# KiCad board Infernum HS.kicad_pcb
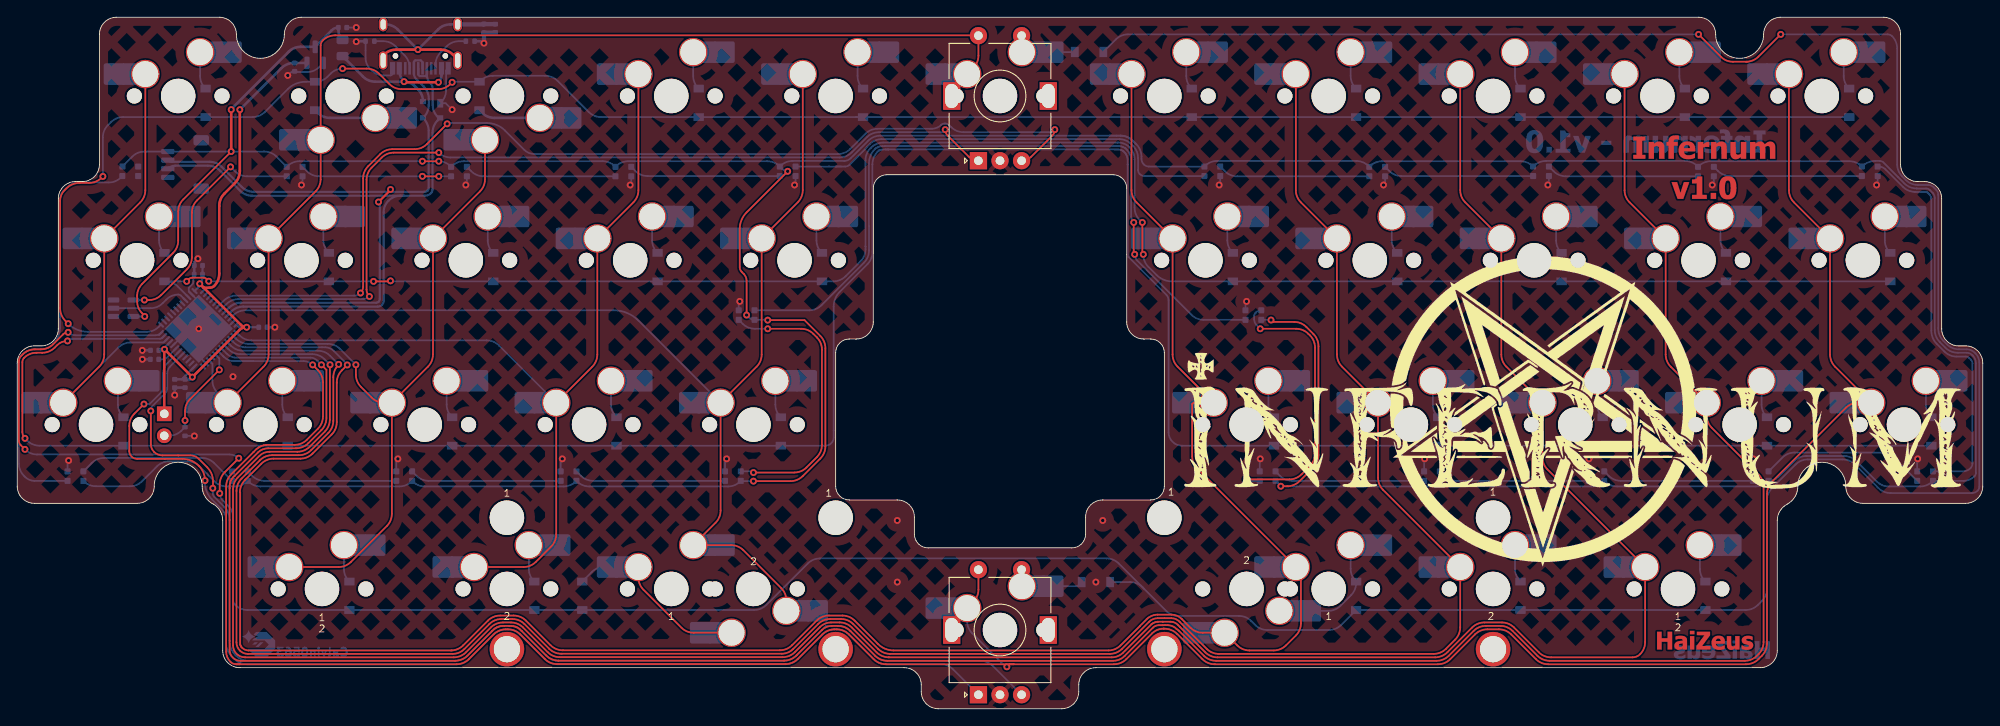
[diagram p0: board, top side]
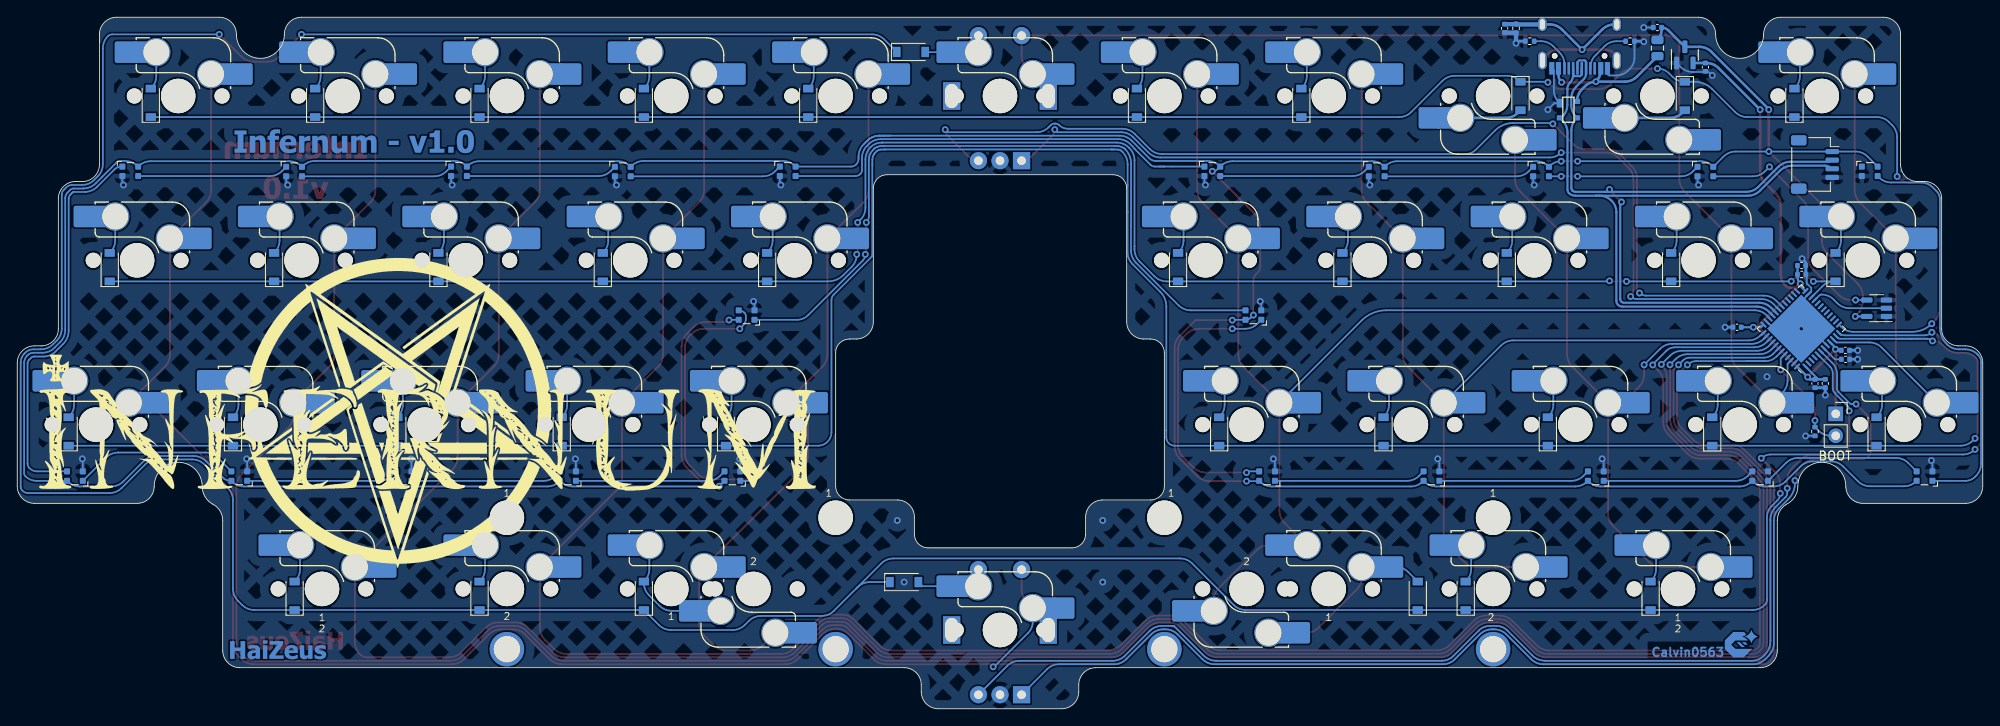
[diagram p1: board, bottom side, seen from below]

Outline 227.81 x 80.17 mm; copper layers: Top, Bottom. Coordinates in mm from the lower left corner of the outline.
Outline path: 0,40.08 arc(0.58,41.49) 1.98,42.07 2.78,42.07 arc(4.18,42.65) 4.76,44.05 4.76,59.13 arc(5.34,60.54) 6.75,61.12 7.54,61.12 arc(8.94,61.7) 9.52,63.1 9.52,78.18 arc(10.11,79.59) 11.51,80.17 23.42,80.17 arc(24.82,79.59) 25.4,78.18 arc(28.18,75.41) 30.96,78.18 arc(31.54,79.59) 32.94,80.17 194.87,80.17 arc(196.27,79.59) 196.85,78.18 arc(199.63,75.41) 202.41,78.18 arc(202.99,79.59) 204.39,80.17 216.3,80.17 arc(217.7,79.59) 218.28,78.18 218.28,63.1 arc(218.86,61.7) 220.27,61.12 221.06,61.12 arc(222.46,60.54) 223.04,59.13 223.04,44.05 arc(223.62,42.65) 225.03,42.07 225.82,42.07 arc(227.23,41.49) 227.81,40.08 227.81,25.8 arc(227.23,24.39) 225.82,23.81 213.92,23.81 arc(212.51,24.39) 211.93,25.8 arc(209.15,28.57) 206.38,25.8 arc(206.05,24.59) 205.15,23.72 arc(204.3,22.93) 203.99,21.83 203.99,6.75 arc(203.41,5.34) 202.01,4.76 125.02,4.76 arc(123.61,4.18) 123.03,2.78 123.03,1.98 arc(122.45,0.58) 121.05,0 106.76,0 arc(105.36,0.58) 104.78,1.98 104.78,2.78 arc(104.19,4.18) 102.79,4.76 25.8,4.76 arc(24.39,5.34) 23.81,6.75 23.81,21.83 arc(23.53,22.91) 22.75,23.72 arc(21.79,24.57) 21.43,25.8 arc(18.65,28.57) 15.88,25.8 arc(15.29,24.39) 13.89,23.81 1.98,23.81 arc(0.58,24.39) 0,25.8 0,40.08 ; 94.85,41.27 94.85,25.8 arc(95.32,24.67) 96.44,24.21 102,24.21 arc(103.4,23.63) 103.98,22.22 103.98,20.24 arc(104.45,19.12) 105.57,18.65 122.24,18.65 arc(123.36,19.12) 123.83,20.24 123.83,22.22 arc(124.41,23.63) 125.81,24.21 131.37,24.21 arc(132.49,24.67) 132.95,25.8 132.95,41.27 arc(132.49,42.4) 131.37,42.86 130.57,42.86 arc(129.17,43.44) 128.59,44.85 128.59,60.32 arc(128.12,61.45) 127,61.91 100.81,61.91 arc(99.68,61.45) 99.22,60.32 99.22,44.85 arc(98.64,43.44) 97.23,42.86 96.44,42.86 arc(95.32,42.4) 94.85,41.27
Stack: Top 0.035mm / dielectric 1.51mm FR4 er 4.5 / Bottom 0.035mm

## Placement (name value [footprint] x y rotation side)
C16  100nf  [C_0402_1005Metric]  19.45 37.7 270 bottom
C17  100nf  [C_0402_1005Metric]  15.92 41.55 180 bottom
C18  100nf  [C_0402_1005Metric]  18.25 37.71 270 bottom
C19  100nf  [C_0402_1005Metric]  20.99 50.35 180 bottom
C20  100nf  [C_0402_1005Metric]  28.47 44.23 0 bottom
C21  10uF  [C_0402_1005Metric]  21 51.38 180 bottom
C22  100nf  [C_0402_1005Metric]  15.91 40.51 180 bottom
C_LDO1  1uF  [C_0402_1005Metric]  37.7 78.98 0 bottom
C_LDO2  1uF  [C_0402_1005Metric]  32.15 74.38 270 bottom
C_Shield1  4.7n  [C_0402_1005Metric]  55.41 78.89 90 bottom
D1  SOD-123  [D_SOD-123]  21.83 70.25 90 bottom
D2  SOD-123  [D_SOD-123]  34.53 71.04 270 bottom
D3  SOD-123  [D_SOD-123]  53.58 71.04 270 bottom
D4  SOD-123  [D_SOD-123]  78.98 70.25 90 bottom
D5  SOD-123  [D_SOD-123]  98.03 70.25 90 bottom
D6  SOD-123  [D_SOD-123]  124.22 76.15 180 bottom
D7  SOD-123  [D_SOD-123]  136.13 70.25 90 bottom
D8  SOD-123  [D_SOD-123]  155.18 70.25 90 bottom
D9  SOD-123  [D_SOD-123]  174.23 70.25 90 bottom
D10  SOD-123  [D_SOD-123]  193.28 70.25 90 bottom
D11  SOD-123  [D_SOD-123]  212.33 70.25 90 bottom
D12  SOD-123  [D_SOD-123]  17.07 51.2 90 bottom
D13  SOD-123  [D_SOD-123]  36.12 51.2 90 bottom
D14  SOD-123  [D_SOD-123]  55.17 51.2 90 bottom
D15  SOD-123  [D_SOD-123]  74.22 51.2 90 bottom
D16  SOD-123  [D_SOD-123]  93.27 51.2 90 bottom
D17  SOD-123  [D_SOD-123]  140.89 51.2 90 bottom
D18  SOD-123  [D_SOD-123]  159.94 51.2 90 bottom
D19  SOD-123  [D_SOD-123]  178.99 51.2 90 bottom
D20  SOD-123  [D_SOD-123]  198.04 51.2 90 bottom
D21  SOD-123  [D_SOD-123]  217.09 51.2 90 bottom
D22  SOD-123  [D_SOD-123]  12.3 32.15 90 bottom
D23  SOD-123  [D_SOD-123]  31.35 32.15 90 bottom
D24  SOD-123  [D_SOD-123]  50.4 32.15 90 bottom
D25  SOD-123  [D_SOD-123]  69.45 32.15 90 bottom
D26  SOD-123  [D_SOD-123]  88.5 32.15 90 bottom
D27  SOD-123  [D_SOD-123]  145.65 32.15 90 bottom
D28  SOD-123  [D_SOD-123]  164.7 32.15 90 bottom
D29  SOD-123  [D_SOD-123]  183.75 32.15 90 bottom
D30  SOD-123  [D_SOD-123]  202.8 32.15 90 bottom
D31  SOD-123  [D_SOD-123]  221.85 32.15 90 bottom
D32  SOD-123  [D_SOD-123]  38.5 13.1 90 bottom
D33  SOD-123  [D_SOD-123]  59.93 13.1 90 bottom
D34  SOD-123  [D_SOD-123]  65.48 13.1 90 bottom
D35  SOD-123  [D_SOD-123]  125.02 14.68 180 bottom
D36  SOD-123  [D_SOD-123]  155.18 13.1 90 bottom
D37  SOD-123  [D_SOD-123]  174.23 13.1 90 bottom
D38  SOD-123  [D_SOD-123]  195.66 13.1 90 bottom
D39  WS2812B-2020  [LED_WS2812_2020]  51.2 62.28 180 bottom
D40  WS2812B-2020  [LED_WS2812_2020]  89.3 62.31 180 bottom
D41  WS2812B-2020  [LED_WS2812_2020]  138.51 62.31 180 bottom
D42  WS2812B-2020  [LED_WS2812_2020]  176.61 62.31 180 bottom
D43  WS2812B-2020  [LED_WS2812_2020]  214.71 62.31 180 bottom
D44  WS2812B-2020  [LED_WS2812_2020]  221.12 26.97 0 bottom
D45  WS2812B-2020  [LED_WS2812_2020]  143.27 45.64 0 bottom
D46  WS2812B-2020  [LED_WS2812_2020]  183.02 26.97 0 bottom
D47  WS2812B-2020  [LED_WS2812_2020]  32.15 62.28 180 bottom
D48  WS2812B-2020  [LED_WS2812_2020]  144.92 26.97 0 bottom
D49  WS2812B-2020  [LED_WS2812_2020]  84.53 45.64 0 bottom
D50  WS2812B-2020  [LED_WS2812_2020]  70.25 62.28 180 bottom
D51  WS2812B-2020  [LED_WS2812_2020]  13.1 62.31 180 bottom
D52  WS2812B-2020  [LED_WS2812_2020]  6.75 26.97 0 bottom
D53  WS2812B-2020  [LED_WS2812_2020]  44.85 26.97 0 bottom
D54  WS2812B-2020  [LED_WS2812_2020]  82.95 26.97 0 bottom
D55  WS2812B-2020  [LED_WS2812_2020]  157.62 62.28 180 bottom
D56  WS2812B-2020  [LED_WS2812_2020]  195.72 62.28 180 bottom
D57  WS2812B-2020  [LED_WS2812_2020]  25.8 26.97 0 bottom
D58  WS2812B-2020  [LED_WS2812_2020]  63.9 26.97 0 bottom
D59  WS2812B-2020  [LED_WS2812_2020]  163.97 26.97 0 bottom
D60  WS2812B-2020  [LED_WS2812_2020]  202.07 26.97 0 bottom
F1  500mA  [Fuse_0805_2012Metric]  37.7 76.6 90 bottom
G***  LOGO  [B.SilkS_layer1]  247.25 43.26 0 top
G***#2  LOGO  [B.Cu_g396]  113.9 42.47 0 top
G***#3  LOGO  [F.Cu_g386]  113.9 42.47 0 top
G***#4  LOGO  [F.SilkS_g3529]  247.25 42.47 0 top
G***#5  -  [LOGO]  28.18 7.54 180 bottom
J2  SM04B  [JST_SH_SM04B-SRSS-TB_1x04-1MP_P1.00mm_Horizontal]  19.45 63.1 270 bottom
MX1  MX-NoLED  [SW_MX_HS_1u]  18.65 71.04 180 bottom
MX2  MX-NoLED  [SW_MX_HS_1u]  37.7 71.04 0 bottom
MX3  MX-NoLED  [SW_MX_HS_1u]  56.75 71.04 0 bottom
MX4  MX-NoLED  [SW_MX_HS_1u]  75.8 71.04 180 bottom
MX5  MX-NoLED  [SW_MX_HS_1u]  94.85 71.04 180 bottom
MX6  MX-NoLED  [SW_MX_HS_1u]  113.9 71.04 180 bottom
MX7  MX-NoLED  [SW_MX_HS_1u]  132.95 71.04 180 bottom
MX8  MX-NoLED  [SW_MX_HS_1u]  152 71.04 180 bottom
MX9  MX-NoLED  [SW_MX_HS_1u]  171.05 71.04 180 bottom
MX10  MX-NoLED  [SW_MX_HS_1u]  190.1 71.04 180 bottom
MX11  MX-NoLED  [SW_MX_HS_1u]  209.15 71.04 180 bottom
MX12  MX-NoLED  [SW_MX_HS_1u]  13.89 51.99 180 bottom
MX13  MX-NoLED  [SW_MX_HS_1u]  32.94 51.99 180 bottom
MX14  MX-NoLED  [SW_MX_HS_1u]  51.99 51.99 180 bottom
MX15  MX-NoLED  [SW_MX_HS_1u]  71.04 51.99 180 bottom
MX16  MX-NoLED  [SW_MX_HS_1u]  90.09 51.99 180 bottom
MX17  MX-NoLED  [SW_MX_HS_1u]  137.72 51.99 180 bottom
MX18  MX-NoLED  [SW_MX_HS_1u]  156.77 51.99 180 bottom
MX19  MX-NoLED  [SW_MX_HS_1u]  175.82 51.99 180 bottom
MX20  MX-NoLED  [SW_MX_HS_1u]  194.87 51.99 180 bottom
MX21  MX-NoLED  [SW_MX_HS_1u]  213.92 51.99 180 bottom
MX22  MX-NoLED  [SW_MX_HS_1u]  9.13 32.94 180 bottom
MX23  MX-NoLED  [SW_MX_HS_1u]  28.18 32.94 180 bottom
MX24  MX-NoLED  [SW_MX_HS_1u]  47.23 32.94 180 bottom
MX25  MX-NoLED  [SW_MX_HS_1u]  66.28 32.94 180 bottom
MX26  MX-NoLED  [SW_MX_HS_1u]  85.33 32.94 180 bottom
MX27  MX-NoLED  [SW_MX_HS_1u]  142.48 32.94 180 bottom
MX28  MX-NoLED  [SW_MX_HS_1u]  161.53 32.94 180 bottom
MX29  MX-NoLED  [SW_MX_HS_1u]  180.58 32.94 180 bottom
MX30  MX-NoLED  [SW_MX_HS_1u]  199.63 32.94 180 bottom
MX31  MX-NoLED  [SW_MX_HS_1u]  218.68 32.94 180 bottom
MX35  MX-NoLED  [SW_MX_HS_1u]  113.9 9.13 180 bottom
MX55  MX-NoLED  [SW_MX_HS_1u]  56.75 13.89 180 bottom
MX56  MX-NoLED  [SW_MX_HS_1u]  171.05 13.89 180 bottom
MX57  MX-NoLED  [SW_MX_HS_1.25u]  35.32 13.89 180 bottom
MX58  MX-NoLED  [SW_MX_HS_1.25u]  192.48 13.89 180 bottom
MX59  MX-NoLED  [SW_MX_HS_1u]  85.33 13.89 0 bottom
MX60  MX-NoLED  [SW_MX_HS_1u]  75.8 13.89 180 bottom
MX61  MX-NoLED  [SW_MX_HS_1u]  142.48 13.89 0 bottom
MX62  MX-NoLED  [SW_MX_HS_1u]  152 13.89 180 bottom
R6  10k  [R_0402_1005Metric]  19.45 32.15 270 bottom
R_Shield1  1M  [R_0402_1005Metric]  54.09 78.89 270 bottom
R_USB1  5.1k  [R_0402_1005Metric]  40.88 77.39 180 bottom
R_USB2  5.1k  [R_0402_1005Metric]  52.5 77.39 0 bottom
S3  3u  [STAB_MX_P_3u]  152 13.89 180 top
S4  3u  [STAB_MX_P_3u]  75.8 13.89 180 top
SW1  RotaryEncoder_Switch  [RotaryEncoder_Alps_EC11E-Switch_Vertical_H20mm]  111.4 63.54 90 top
SW2  RotaryEncoder_Switch  [RotaryEncoder_Alps_EC11E-Switch_Vertical_H20mm]  111.4 1.63 90 top
SW5  SKQGABE010  [PinSocket_1x02_P2.54mm_Vertical]  17.04 34.19 180 bottom
U1  STM32F072CBUx  [QFN-48-1EP_7x7mm_P0.5mm_EP5.6x5.6mm]  21.03 44.05 45 bottom
U3  XC6206PxxxMR  [SOT-23]  34.53 75.8 90 bottom
U4  PRTR5V0U2X  [SOT143B]  48.02 69.45 180 bottom
U5  74AHCT1G125  [SOT-23-5]  12.3 46.43 0 bottom
USB1  HRO-TYPE-C-31-M-12  [HRO-TYPE-C-31-M-12-Assembly]  46.73 81.94 0 bottom

## Library data of the parts
C16-C22 C_LDO1 C_LDO2 C_Shield1 = -: Description: Unpolarized capacitor, small symbol
D1-D38 = -: Description: Diode, small symbol
F1 = -: Description: Resettable fuse, polymeric positive temperature coefficient, small symbol
J2 = -: Description: Generic connector, single row, 01x04, script generated (kicad-library-utils/schlib/autogen/connector/)
R6 R_Shield1 R_USB1 R_USB2 = -: Description: Resistor, small symbol
S3 S4 = -: Description: Cherry MX-style stabilizer
SW1 SW2 = -: Description: Rotary encoder, dual channel, incremental quadrate outputs, with switch
SW5 = -: Description: Push button switch, generic, two pins; LCSC: C115351
U1 = -: Description: STMicroelectronics Arm Cortex-M0 MCU, 128KB flash, 16KB RAM, 48 MHz, 2.0-3.6V, 37 GPIO, UFQFPN48
U3 = -: Description: Positive 60-250mA Low Dropout Regulator, Fixed Output, SOT-23
U5 = -: Description: Single Buffer Gate Tri-State, Low-Voltage CMOS

## Footprints (pads in the part's own frame, mm; a bottom-side part is the same pattern mirrored in y, then rotated)
C_0402_1005Metric
  rrect 0.56x0.62 smd: 1(-0.48,0) 2(0.48,0)
D_SOD-123
  rect 0.9x1.2 smd: 1(-1.65,0) 2(1.65,0)
Fuse_0805_2012Metric
  rrect 0.975x1.4 smd: 1(-0.938,0) 2(0.938,0)
HRO-TYPE-C-31-M-12-Assembly
  round 0.65 hole 0.65 unplated: (-2.89,6.25) (2.89,6.25)
  rect 0.6x1.45 smd: 1(-3.225,7.695) 2(-2.45,7.695) 11(2.45,7.695) 12(3.225,7.695)
  rect 0.3x1.45 smd: 3(-1.75,7.695) 4(-1.25,7.695) 5(-0.75,7.695) 6(-0.25,7.695) 7(0.25,7.695) 8(0.75,7.695) 9(1.25,7.695) 10(1.75,7.695)
  oval 1x1.6 hole 0.6x1.2: 13(-4.32,2.6) 13(4.32,2.6)
  oval 1x2.1 hole 0.6x1.7: 13(-4.32,6.78) 13(4.32,6.78)
JST_SH_SM04B-SRSS-TB_1x04-1MP_P1.00mm_Horizontal
  rrect 0.6x1.55 smd: 1(-1.5,2) 2(-0.5,2) 3(0.5,2) 4(1.5,2)
  rrect 1.2x1.8 smd: MP(-2.8,-1.875) MP(2.8,-1.875)
LED_WS2812_2020
  rrect 0.7x0.7 smd: 1(-0.915,0.55) 2(-0.915,-0.55) 3(0.915,-0.55) 4(0.915,0.55)
PinSocket_1x02_P2.54mm_Vertical
  rect 1.7x1.7 hole 1: 1(0,0)
  oval 1.7x1.7 hole 1: 2(0,-2.54)
QFN-48-1EP_7x7mm_P0.5mm_EP5.6x5.6mm
  rrect 1.13x1.13 smd: (-2.1,-2.1) (-2.1,-0.7) (-2.1,0.7) (-2.1,2.1) (-0.7,-2.1) (-0.7,-0.7) (-0.7,0.7) (-0.7,2.1) (0.7,-2.1) (0.7,-0.7) (0.7,0.7) (0.7,2.1) (2.1,-2.1) (2.1,-0.7) (2.1,0.7) (2.1,2.1)
  rrect 0.875x0.25 smd: 1(-3.438,2.75) 2(-3.438,2.25) 3(-3.438,1.75) 4(-3.438,1.25) 5(-3.438,0.75) 6(-3.438,0.25) 7(-3.438,-0.25) 8(-3.438,-0.75) 9(-3.438,-1.25) 10(-3.438,-1.75) 11(-3.438,-2.25) 12(-3.438,-2.75) 25(3.438,-2.75) 26(3.438,-2.25) 27(3.438,-1.75) 28(3.438,-1.25) 29(3.438,-0.75) 30(3.438,-0.25) 31(3.438,0.25) 32(3.438,0.75) 33(3.438,1.25) 34(3.438,1.75) 35(3.438,2.25) 36(3.438,2.75)
  rrect 0.25x0.875 smd: 13(-2.75,-3.438) 14(-2.25,-3.438) 15(-1.75,-3.438) 16(-1.25,-3.438) 17(-0.75,-3.438) 18(-0.25,-3.438) 19(0.25,-3.438) 20(0.75,-3.438) 21(1.25,-3.438) 22(1.75,-3.438) 23(2.25,-3.438) 24(2.75,-3.438) 37(2.75,3.438) 38(2.25,3.438) 39(1.75,3.438) 40(1.25,3.438) 41(0.75,3.438) 42(0.25,3.438) 43(-0.25,3.438) 44(-0.75,3.438) 45(-1.25,3.438) 46(-1.75,3.438) 47(-2.25,3.438) 48(-2.75,3.438)
  rect 5.6x5.6 smd: 49(0,0)
R_0402_1005Metric
  rrect 0.54x0.64 smd: 1(-0.51,0) 2(0.51,0)
RotaryEncoder_Alps_EC11E-Switch_Vertical_H20mm
  rect 2x2 hole 1: A(0,0)
  round 2 hole 1: B(0,-5) C(0,-2.5) S1(14.5,-5) S2(14.5,0)
  rect 3.2x2 hole 2.8x1.5: MP(7.5,3.1) MP(7.5,-8.1)
SOT143B
  rect 0.7x1 smd: 1(-1,0.75)
  rect 0.7x0.6 smd: 2(-1,-0.95) 3(1,-0.95) 4(1,0.95)
SOT-23
  rrect 1.475x0.6 smd: 1(-0.938,0.95) 2(-0.938,-0.95) 3(0.938,0)
SOT-23-5
  rrect 1.325x0.6 smd: 1(-1.137,0.95) 2(-1.137,0) 3(-1.137,-0.95) 4(1.137,-0.95) 5(1.137,0.95)
STAB_MX_P_3u
  round 4 hole 3.048: (-19.05,6.985) (19.05,6.985)
  round 3.988 hole 3.988 unplated: (-19.05,-8.255) (19.05,-8.255)
SW_MX_HS_1.25u
  round 1.75 hole 1.75 unplated: (-5.08,0) (5.08,0)
  round 3.988 hole 3.988 unplated: (0,0)
  round 3.3 hole 3: 1(3.81,2.54) 2(-2.54,5.08)
  rect 1.65x2.5 smd: 1(5.635,2.54) 2(-4.34,5.08)
  rrect 2.55x2.5 smd: 1(7.36,2.54) 2(-6.09,5.08)
SW_MX_HS_1u
  round 1.75 hole 1.75 unplated: (-5.08,0) (5.08,0)
  round 3.988 hole 3.988 unplated: (0,0)
  round 3.3 hole 3: 1(3.81,2.54) 2(-2.54,5.08)
  rect 1.65x2.5 smd: 1(5.635,2.54) 2(-4.34,5.08)
  rrect 2.55x2.5 smd: 1(7.36,2.54) 2(-6.09,5.08)

## Nets
+3V3: C16.1 C17.1 C18.1 C19.1 C20.1 C21.1 C_LDO2.1 SW5.1 U1.1 U1.9 U1.24 U1.36 U1.48 U3.2
+5V: C_LDO1.1 D39.4 D40.4 D41.4 D42.4 D43.4 D44.4 D45.4 D46.4 D47.4 D48.4 D49.4 D50.4 D51.4 D52.4 D53.4 D54.4 D55.4 D56.4 D57.4 D58.4 D59.4 D60.4 F1.2 J2.1 U3.3 U5.5
GND: C16.2 C17.2 C18.2 C19.2 C20.2 C21.2 C22.2 C_LDO1.2 C_LDO2.2 C_Shield1.1 D39.2 D40.2 D41.2 D42.2 D43.2 D44.2 D45.2 D46.2 D47.2 D48.2 D49.2 D50.2 D51.2 D52.2 D53.2 D54.2 D55.2 D56.2 D57.2 D58.2 D59.2 D60.2 J2.4 R6.2 R_Shield1.2 R_USB1.2 R_USB2.2 SW1.C SW2.C U1.8 U1.23 U1.35 U1.47 U1.49 U3.1 U4.1 U5.1 U5.3 USB1.1 USB1.12
GNDREF: C_Shield1.2 R_Shield1.1 USB1.13
VCC: F1.1 U4.4 USB1.2 USB1.11
BOOT0: R6.1 SW5.2 U1.44
Col 0: MX1.1 MX12.1 MX22.1 U1.10
Col 1: MX2.2 MX6.1 MX13.1 MX23.1 SW1.S2 U1.46
Col 2: MX3.2 MX14.1 MX24.1 MX57.1 U1.38
Col 3: MX4.1 MX15.1 MX25.1 MX55.1 U1.37
Col 4: MX5.1 MX16.1 MX26.1 MX59.1 MX60.2 U1.34
Col 5: MX7.1 MX17.1 MX27.1 MX61.2 MX62.1 U1.39
Col 6: MX8.1 MX18.1 MX28.1 MX56.1 U1.40
Col 7: MX9.1 MX19.1 MX29.1 MX58.1 U1.41
Col 8: MX10.1 MX20.1 MX30.1 U1.42
Col 9: MX11.1 MX21.1 MX31.1 MX35.1 SW2.S2 U1.43
D+: J2.3 U1.33 U4.2 USB1.6 USB1.8
D-: J2.2 U1.32 U4.3 USB1.5 USB1.7
enc1A: SW1.A U1.31
enc1B: SW1.B U1.30
enc2A: SW2.A U1.6
enc2B: SW2.B U1.5
NRST: C22.1 U1.7
RGB: D47.3 U5.4
RGBLED: U1.21 U5.2
Row 0: D1.1 D2.1 D3.1 D4.1 D5.1 D7.1 D8.1 D9.1 D10.1 D11.1 U1.13
Row 1: D12.1 D13.1 D14.1 D15.1 D16.1 D17.1 D18.1 D19.1 D20.1 D21.1 U1.22
Row 2: D22.1 D23.1 D24.1 D25.1 D26.1 D27.1 D28.1 D29.1 D30.1 D31.1 U1.11
Row 3: D6.1 D32.1 D33.1 D34.1 D35.1 D36.1 D37.1 D38.1 U1.12
Net-(D1-A): D1.2 MX1.2
Net-(D2-A): D2.2 MX2.1
Net-(D3-A): D3.2 MX3.1
Net-(D4-A): D4.2 MX4.2
Net-(D5-A): D5.2 MX5.2
Net-(D6-A): D6.2 MX6.2 SW1.S1
Net-(D7-A): D7.2 MX7.2
Net-(D8-A): D8.2 MX8.2
Net-(D9-A): D9.2 MX9.2
Net-(D10-A): D10.2 MX10.2
Net-(D11-A): D11.2 MX11.2
Net-(D12-A): D12.2 MX12.2
Net-(D13-A): D13.2 MX13.2
Net-(D14-A): D14.2 MX14.2
Net-(D15-A): D15.2 MX15.2
Net-(D16-A): D16.2 MX16.2
Net-(D17-A): D17.2 MX17.2
Net-(D18-A): D18.2 MX18.2
Net-(D19-A): D19.2 MX19.2
Net-(D20-A): D20.2 MX20.2
Net-(D21-A): D21.2 MX21.2
Net-(D22-A): D22.2 MX22.2
Net-(D23-A): D23.2 MX23.2
Net-(D24-A): D24.2 MX24.2
Net-(D25-A): D25.2 MX25.2
Net-(D26-A): D26.2 MX26.2
Net-(D27-A): D27.2 MX27.2
Net-(D28-A): D28.2 MX28.2
Net-(D29-A): D29.2 MX29.2
Net-(D30-A): D30.2 MX30.2
Net-(D31-A): D31.2 MX31.2
Net-(D32-A): D32.2 MX57.2
Net-(D33-A): D33.2 MX55.2
Net-(D34-A): D34.2 MX59.2 MX60.1
Net-(D35-A): D35.2 MX35.2 SW2.S1
Net-(D36-A): D36.2 MX61.1 MX62.2
Net-(D37-A): D37.2 MX56.2
Net-(D38-A): D38.2 MX58.2
Net-(D39-DIN): D39.3 D47.1
Net-(D39-DOUT): D39.1 D50.3
Net-(D40-DIN): D40.3 D50.1
Net-(D40-DOUT): D40.1 D41.3
Net-(D41-DOUT): D41.1 D55.3
Net-(D42-DIN): D42.3 D55.1
Net-(D42-DOUT): D42.1 D56.3
Net-(D43-DIN): D43.3 D56.1
Net-(D43-DOUT): D43.1 D44.3
Net-(D44-DOUT): D44.1 D60.3
Net-(D45-DIN): D45.3 D48.1
Net-(D45-DOUT): D45.1 D49.3
Net-(D46-DIN): D46.3 D60.1
Net-(D46-DOUT): D46.1 D59.3
Net-(D48-DIN): D48.3 D59.1
Net-(D49-DOUT): D49.1 D54.3
Net-(D51-DIN): D51.3 D52.1
Net-(D52-DIN): D52.3 D57.1
Net-(D53-DIN): D53.3 D58.1
Net-(D53-DOUT): D53.1 D57.3
Net-(D54-DOUT): D54.1 D58.3
Net-(USB1-CC1): R_USB1.1 USB1.4
Net-(USB1-CC2): R_USB2.1 USB1.10

Pads without a net: D51 1; J2 MP; SW1 MP; SW2 MP; U1 2 3 4 14 15 16 17 18 19 20 25 26 27 28 29 45; USB1 3 9

## Via types
v1: diameter 0.8, hole 0.4, Top to Bottom, 105 vias

## Routing (per net, layer and track width the routed paths; a pad name or vN(x,y) marks a point on that pad's centre or on a via; arc(x,y) is an arc through that point)
+3V3: length 76.6
  Top w0.3: SW5.1 17.04,41.65 v1(17.07,41.67) v1(20.29,38.45) 25.77,43.92 arc(26.11,44.15) 26.51,44.23 v1(26.59,44.23) arc(26.22,44.3) 25.91,44.51 v1(21.15,49.27) 21.61,48.82 22.33,48.82 arc(22.6,48.87) 22.83,49.02 arc(23.26,49.67) 23.42,50.44 23.42,58.31 arc(23.57,59.07) 24,59.72 25.21,60.93 arc(25.64,61.58) 25.8,62.34 v1(25.8,69.45)
  Bottom w0.25: U1.1 19.06,38.19 C18.1 20.02,38.19 20.03,38.18 ; C17.1 16.95,41.55 v1(17.07,41.67) 17.07,41.85 U1.9 ; 20.03,38.18 U1.48 ; 20.03,38.18 C16.1 ; U1.36 25.72,44.23 C20.1 ; U1.24 20.98,48.87 arc(21.11,49.05) 21.15,49.26 v1(21.15,49.27) arc(21.39,49.63) 21.47,50.05 C19.1 21.47,51.38 C21.1
  Bottom w0.3: U3.2 32.15,74.87 C_LDO2.1 32.03,74.86 arc(31.27,74.71) 30.62,74.27 v1(25.8,69.45)
+5V: length 552.6
  Top w0.2: v1(89.3,62.31) 84.53,57.55 arc(83.95,56.67) 83.74,55.63 83.74,51.2 arc(83.8,50.89) 83.97,50.64 84.21,50.4 arc(84.45,50.04) 84.53,49.61 v1(84.53,45.64) ; v1(146.45,25.8) 147.21,25.8 arc(147.97,25.95) 148.62,26.38 150.23,27.99 arc(150.66,28.64) 150.82,29.41 150.82,42.03 arc(150.66,42.8) 150.23,43.45 149.41,44.26 arc(148.77,44.69) 148,44.85 145.53,44.85 v1(145.31,45.07) ; v1(14.77,45.48) 14.77,45.55 14.48,45.85 arc(14.04,46.5) 13.89,47.26 13.89,47.85 arc(14.04,48.61) 14.48,49.26 18.07,52.85 arc(18.5,53.5) 18.65,54.27 18.65,57.63 arc(18.81,58.4) 19.24,59.05 v1(24.8,64.6) ; v1(85.33,26.38) 89.62,26.38 arc(90.39,26.54) 91.04,26.97 93.08,29.01 arc(93.51,29.66) 93.67,30.43 93.67,41.8 arc(93.51,42.57) 93.08,43.22 91.24,45.05 v1(86.98,45.05) ; v1(46.96,63.48) v1(48.86,63.48)
  Top w0.3: v1(24.8,64.6) 24.8,64.6 v1(24.8,69.45)
  Bottom w0.2: 129.29,65.85 129.72,65.43 ; 129.29,65.85 129.72,65.43 arc(130.15,64.78) 130.3,64.01 130.3,63.76 arc(130.37,63.4) 130.57,63.1 arc(130.84,62.92) 131.16,62.86 D41.4 137.66,62.92 arc(138.31,63.36) 139.07,63.51 155.2,63.51 arc(155.96,63.36) 156.61,62.92 D55.4 156.77,62.89 arc(157.42,63.33) 158.19,63.48 174.25,63.48 arc(175.01,63.33) 175.66,62.89 D42.4 175.76,62.92 arc(176.41,63.36) 177.17,63.51 193.3,63.51 arc(194.06,63.36) 194.71,62.92 194.81,62.83 194.87,62.89 arc(195.52,63.33) 196.29,63.48 212.35,63.48 arc(213.11,63.33) 213.76,62.89 D43.4 arc(214.52,63.34) 215.37,63.51 215.84,63.51 arc(216.1,63.46) 216.31,63.32 218,61.63 218,61.63 218.72,60.91 arc(219.37,60.47) 220.13,60.32 arc(220.14,60.32) 220.15,60.31 221.25,60.31 arc(221.48,60.27) 221.67,60.14 221.99,59.82 arc(222.18,59.54) 222.25,59.21 222.25,43.92 arc(222.4,43.16) 222.83,42.51 223.48,41.86 arc(224.13,41.42) 224.9,41.27 225.93,41.27 arc(226.29,41.2) 226.6,41 226.66,40.94 arc(226.92,40.55) 227.01,40.08 227.01,27.33 arc(226.97,27.12) 226.85,26.95 arc(226.27,26.56) 225.57,26.42 D44.4 221.97,26.36 arc(221.32,25.92) 220.56,25.77 216.92,25.77 arc(216.16,25.92) 215.51,26.36 213.15,28.72 arc(212.5,29.15) 211.73,29.3 207.37,29.3 arc(206.6,29.15) 205.95,28.72 204.13,26.89 arc(203.61,26.54) D60.4 202.92,26.36 arc(202.27,25.92) 201.51,25.77 185.42,25.77 arc(184.65,25.92) 184,26.36 D46.4 183.87,26.36 arc(183.22,25.92) 182.46,25.77 166.37,25.77 arc(165.6,25.92) 164.95,26.36 D59.4 164.82,26.36 arc(164.17,25.92) 163.41,25.77 147.32,25.77 arc(146.55,25.92) 145.9,26.36 D48.4 146.45,25.81 v1(146.45,25.8) ; 129.29,65.85 arc(128.64,66.29) 127.87,66.44 ; 129.29,65.85 arc(128.64,66.29) 127.87,66.44 ; v1(46.96,63.48) 46.96,63.48 32.71,63.48 arc(31.94,63.33) 31.3,62.89 D47.4 30.04,64.02 arc(29.39,64.45) 28.63,64.6 v1(24.8,64.6) J2.1 14.75,64.6 arc(13.99,64.45) 13.34,64.02 D51.4 ; v1(145.31,45.07) 145.29,45.09 D45.4 ; 126.6,66.44 100.05,66.44 arc(99.28,66.29) 98.63,65.85 96.59,63.82 arc(96.25,63.59) 95.85,63.51 89.86,63.51 arc(89.09,63.36) 88.45,62.92 D40.4 ; 126.6,66.44 127.87,66.44 ; 126.6,66.44 127.87,66.44 ; D40.4 88.67,62.57 arc(88.96,62.38) v1(89.3,62.31) ; D40.4 88.35,62.89 arc(87.7,63.33) 86.94,63.48 70.81,63.48 arc(70.04,63.33) 69.4,62.89 D50.4 69.27,62.89 arc(68.62,63.33) 67.85,63.48 51.76,63.48 arc(50.99,63.33) 50.35,62.89 D39.4 50.18,62.93 arc(49.57,63.33) v1(48.86,63.48) ; v1(85.33,26.38) 83.9,26.38 D54.4 83.8,26.36 arc(83.15,25.92) 82.38,25.77 66.29,25.77 arc(65.52,25.92) 64.88,26.36 64.81,26.42 64.75,26.36 arc(64.1,25.92) 63.33,25.77 47.24,25.77 arc(46.47,25.92) 45.83,26.36 D53.4 45.7,26.36 arc(45.05,25.92) 44.28,25.77 28.19,25.77 arc(27.42,25.92) 26.78,26.36 D57.4 26.65,26.36 arc(26,25.92) 25.23,25.77 24.27,25.77 arc(23.5,25.92) 22.86,26.36 21.12,28.09 arc(20.47,28.53) 19.71,28.68 17.6,28.68 arc(16.83,28.53) 16.19,28.09 14.48,26.38 arc(13.83,25.95) 13.06,25.8 9.12,25.8 arc(8.35,25.95) 7.7,26.38 7.66,26.42 ; v1(86.98,45.05) 86.94,45.09 D49.4 arc(85.11,45.16) 84.83,45.35 v1(84.53,45.64)
  Bottom w0.25: U5.5 v1(14.77,45.48)
  Bottom w0.3: v1(24.8,69.45) 24.8,69.51 31.44,76.15 arc(32.09,76.59) 32.85,76.74 U3.3 36.44,78.65 arc(36.8,78.89) C_LDO1.1 37.22,78.69 arc(37.35,78.07) F1.2
GND: length 75.8
  Bottom w0.2: R_USB1.2 40.37,75.45 arc(40.5,74.78) 40.88,74.22 41.11,73.98 arc(41.73,73.57) 42.47,73.42 43.26,73.42 arc(43.43,73.49) 43.5,73.66 USB1.1 ; v1(50.4,69.45) 49.65,70.2 U4.1 49.12,70.3 arc(49.55,70.95) 49.7,71.71 49.7,73.99 USB1.12 ; v1(5.95,28.78) 5.83,28.66 D52.2 ; D56.2 196.64,60.91 v1(196.45,60.72) ; v1(83.74,47.23) 83.62,47.11 D49.2 ; v1(44.12,28.97) 43.93,28.79 D53.2 ; D43.2 215.62,60.84 v1(215.5,60.72) ; v1(20.52,31.63) 20.51,31.64 R6.2 ; v1(201.22,28.97) 201.16,28.91 D60.2 ; v1(90.09,60.72) 90.21,60.84 D40.2 ; D45.2 142.36,47.11 v1(142.48,47.23) ; v1(220.27,28.97) 220.21,28.91 D44.2 ; D48.2 144.01,28.91 v1(144.07,28.97) ; v1(177.4,60.72) 177.52,60.84 D42.2 ; D47.2 33.06,60.84 v1(32.94,60.72) ; v1(139.3,60.72) 139.42,60.84 D41.2 ; v1(82.22,28.97) 82.03,28.79 D54.2 ; U1.35 24.8,44.64 arc(24.15,44.21) 23.39,44.05 v1(21.03,44.05) ; C_LDO1.2 v1(39.29,78.98) ; v1(158.35,60.72) 158.54,60.91 158.54,61.73 ; D46.2 182.11,28.91 v1(182.17,28.97) ; U3.1 35.02,74.41 arc(34.37,73.97) 33.61,73.82 32.23,73.82 C_LDO2.2 arc(31.86,73.84) 31.61,73.68 v1(31.35,73.42) ; v1(21.03,44.05) 21.03,46.41 arc(20.88,47.17) 20.45,47.82 U1.23 19.88,48.39 19.88,48.8 20.4,49.32 20.4,50.24 C19.2 ; v1(21.03,44.05) 20.8,44.05 arc(20.04,43.9) 19.39,43.47 U1.8 ; v1(21.03,44.05) 21.03,41.7 arc(21.19,40.93) 21.62,40.29 U1.47 ; v1(71.04,60.72) 71.16,60.84 D50.2 ; v1(163.12,28.97) 163.06,28.91 D59.2 ; D39.2 52.11,60.84 v1(51.99,60.72) ; D58.2 62.98,28.79 v1(63.17,28.97)